# Altium PCB Power Distribution Board.PcbDoc (part 2 of 3)
Units mil, origin at the board's own origin, x right, y up, seen from the top; angles counter-clockwise.
Board outline 7086.61 x 4330.71 mil, 4 copper layers (Top Layer, L2 - GND, L3 - POWER, Bottom Layer), stack 23.756 mil thick; 250 components, 142 nets, 721 pads, 450 vias.
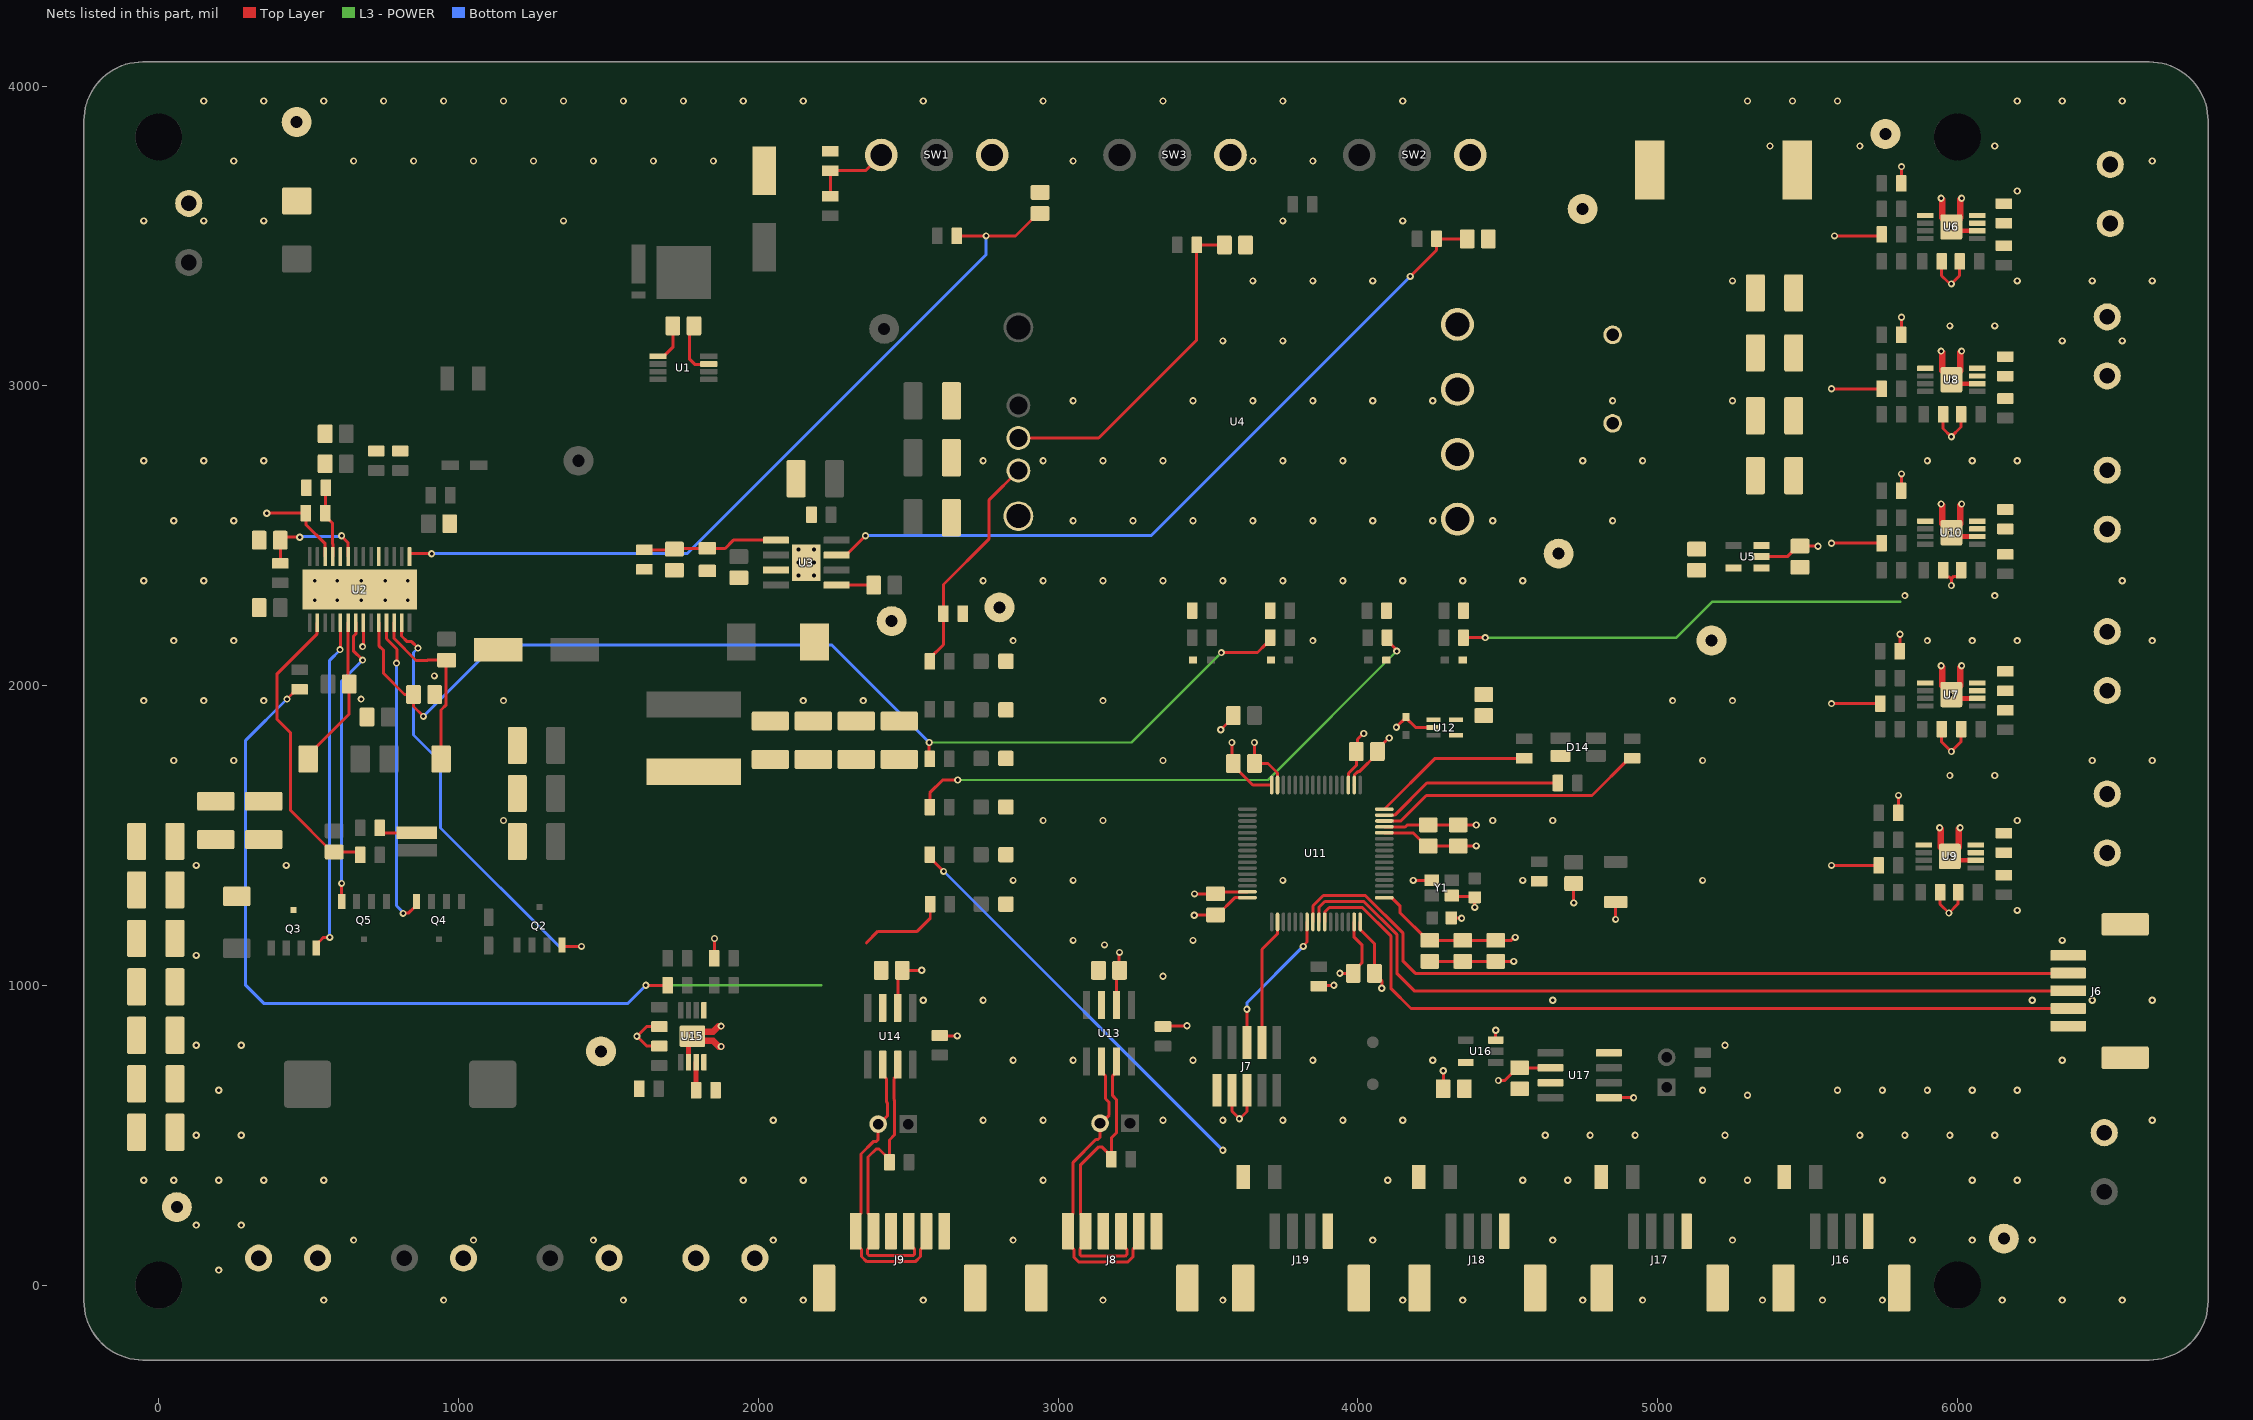
[diagram p4: the nets of this part, all layers, seen from the top]

## Part data (continued)
D1: "TVS DIODE 26V 42.1V DO214AA", Clamping Voltage=42.1V, LCSC Part #=C8835, Manufacturer 1=Littelfuse, Manufacturer Part Number 1=SMBJ26CA, Min Breakdown Voltage=28.9V, Package/Footprint=SMB, Reverse Standoff Voltage=26V, Supplier Part Number 1=SMBJ26CALFCT-ND, Direction=Bidirectional, Mounting Type=SMD, Supplier 1=Digi-Key
D2 D5 D10 D11 D13: "LED GREEN DIFFUSED 0805 SMD", Forward Voltage Drop=2.2V, Manufacturer 1=OSRAM, Manufacturer Part Number 1="LG R971-KN-1", Package/Footprint=0805, Supplier Part Number 1=475-1410-1-ND, Mounting Type=SMD, Supplier 1=Digi-Key
D3 D6: "DIODE SCHOTTKY 40V 520MA SOD323", Manufacturer 1="Diodes Incorporated", Manufacturer Part Number 1=ZLLS400TA, Package/Footprint=SOD-323, Supplier Part Number 1=ZLLS400TACT-ND, Io=520mA, Mounting Type=SMD, Supplier 1=Digi-Key, Vr (Max)=40V
D4 D7 D8: "DIODE SCHOTTKY 30V 2A PMDTM", Manufacturer 1="Rohm Semiconductor", Manufacturer Part Number 1=RSX205LAM30TR, Package/Footprint=SOD-128, Supplier Part Number 1=RSX205LAM30CT-ND, Io=2A, Mounting Type=SMD, Supplier 1=Digi-Key, Vf (Max)=490mV, Vr (Max)=30V
D9: "DIODE SCHOTTKY 40V 5A SMC", Average Rectified Current=5A, Capacitance=300pF, Forward Voltage=550mV, LCSC Part #=C72264, Manufacturer 1=Diodes, Max Forward Surge Current (Ifsm)=100A, Max Operating Temperature=125°C, Max Repetitive Reverse Voltage (Vrrm)=40V, Package/Footprint=SMC, Peak Reverse Current=500uA, Supplier Part Number 1=B540C-FDIDKR-ND, Current=5A, Current Rating=5A, Element Configuration=Single, Forward Current=5A, Manufacturer Part Number 1=B540C-13-F, Max Reverse Voltage (DC)=40V, Mounting Type=SMD, Peak Non-Repetitive Surge Current=100A, Supplier 1=Digi-Key, Voltage=40V, Voltage Rating (DC)=40V
D12: "LED RED DIFFUSED 0805 SMD", Forward Voltage Drop=2V, Manufacturer 1=OSRAM, Manufacturer Part Number 1="LS R976-NR-1", Package/Footprint=0805, Supplier Part Number 1=475-1278-1-ND, Mounting Type=SMD, Supplier 1=Digi-Key
D14: "LED RGB DIFFUSED 4PLCC SMD", Case/Package=PLCC, Color=Blue,Green,Red, Forward Voltage=3.1V, Lens Color=White, Manufacturer 1=Broadcom, Manufacturer Part Number 1=ASMB-MTB1-0A3A2, Package/Footprint=4-PLCC, Supplier Part Number 1=516-3280-1-ND, Test Current=20mA, Dominant Wavelength=470nm, Height=1.9mm, Length=3.2mm, Lens Style=Round, Lens Transparency=Diffused, Luminous Intensity=350mcd, Mounting Type=SMD, Number of Pins=4, Supplier 1=Digi-Key, Viewing Angle=115°, Width=2.8mm
D15 D16 D17 D18 D19: "TVS DIODE 3.3V 14.1V SOD523", Clamping Voltage=14.1V, LCSC Part #=C61148, Manufacturer 1="ON Semiconductor", Manufacturer Part Number 1=ESD5Z3.3T1G, Package/Footprint=SOD-523, Reverse Breakdown Voltage=5V, Reverse Standoff Voltage=3.3V, Supplier Part Number 1=ESD5Z3.3T1GOSCT-ND, Mounting Type=SMD, Polarity=Unidirectional, Supplier 1=Digi-Key
F1: "FUSE SMD 8A 24V", Current Rating=8A, LCSC Part #=C311032, Manufacturer 1=Littelfuse, Manufacturer Part Number 1=1206SFF800F/24-2, Package/Footprint=1206, Supplier Part Number 1=1206SFF800F/24-2CT-ND, Mounting Type=SMD, Supplier 1=Digi-Key
F2 F3 F4 F5: "FUSE BOARD MNT 250MA 125VAC/VDC", Current=250mA, DC Cold Resistance=31mR, Manufacturer 1=Littelfuse, Manufacturer Part Number 1=0466.250NR, Package/Footprint=1206, Power Dissipation=157.5mW, Supplier Part Number 1=F1452CT-ND, Working Voltage=250V, Approvals=UL,CSA, Current Rating=250mA, Depth=1.52mm, Height=0.023inch, Length=3.18mm, Mounting Type=SMD, Supplier 1=Digi-Key, Width=0.06inch
H1 H2 H3: "HEADER 2X1", Manufacturer 1="TE Connectivity", Manufacturer Part Number 1=87220-2, Package/Footprint=TH, Supplier Part Number 1=A26542-ND, Mount="Through Hole", Mounting Type=TH, Supplier 1=Digi-Key
J1 J2 J3 J4 J5 J10 J11 J12 J13 J14 J15: "TERM BLK 2POS SIDE ENTRY 5MM", Current=18A, Manufacturer 1="Phoenix Contact", Manufacturer Part Number 1=1935161, Max Current Rating=16A, Package/Footprint=SMD, Supplier Part Number 1=277-1667-ND, Voltage=300V, Mounting Type=TH, Supplier 1=Digi-Key
J6: "CONN HEADER SMD RIGHT ANGLE 1.5MM PITCH", Current Rating=2A, Manufacturer 1=Molex, Manufacturer Part Number 1=5025850570, Package/Footprint=SMD, Supplier Part Number 1=WM14469CT-ND, Connector Type="Receptacle,Center Strip Contact", Family=CLIK-Mate, Mounting Type=SMD, Number of Circuits=5, Number of Contacts=5, Number of Positions=5, Number of Rows=1, Orientation="Right Angle", Supplier 1=Digi-Key, Termination=Solder
J7: "CONN HEADER SMD 10POS 1.27MM", Manufacturer 1=Samtec, Manufacturer Part Number 1=FTSH-105-01-F-DV-K, Max Current Rating=1.75A, Package/Footprint=SMD, Supplier Part Number 1=SAM8796-ND, Mounting Type=SMD, Pitch=1.27mm, Supplier 1=Digi-Key
J8 J9: "CONN HEADER SMD RIGHT ANGLE 1.5 MM PITCH", Manufactor Number=502585-0670, Manufacturer=Molex, Package/Footprint=SMD, Supplier Part Number 1=WM12832CT-ND, Family=CLIK-Mate, Mounting Type=SMD, Supplier 1=Digi-Key
J16 J17 J18 J19: "CONN HEADER SMD RIGHT ANGLE 1.5 MM PITCH", Manufactor Number=5025850470, Manufacturer=Molex, Package/Footprint=SMD, Supplier Part Number 1=WM9449CT-ND, Family=CLIK-Mate, Mounting Type=SMD, Supplier 1=Digi-Key
L1: "FIXED IND 2.2UH 9A 6.8 MOHM SMD", Current Rating=9A, DC Resistance (DCR)=6.8mOhm, Inductance=2.2uH, Manufacturer 1=Bourns, Manufacturer Part Number 1=SDR1806-2R2ML, Max Operating Temperature=125°C, Min Operating Temperature=-40°C, Package/Footprint=SMD, Supplier Part Number 1=SDR1806-2R2MLCT-ND, Tolerance=20%, Category="Fixed Inductors", Composition=Wirewound, Core Material=Ferrite, Height - Seated (Max)="0.272\"\" (6.90mm)", Mounting Type=SMD, Number of Pins=2, Size / Dimension="0.720\"\" L x 0.551\"\" W (18.30mm x 14.00mm)", Supplier 1=Digi-Key, Termination=SMD/SMT
L2: "FIXED IND 2.2UH 6.3A 13 MOHM SMD", Current Rating=6.3A, DC Resistance (DCR)=13mR, Inductance=2.2uH, Inductance Tolerance=30%, Manufacturer 1=Bourns, Max Operating Temperature=125°C, Min Operating Temperature=-40°C, Package/Footprint=SMD, Saturation Current=7.4A, Self Resonant Frequency=40MHz, Supplier Part Number 1=SRN8040-2R2YCT-ND, Test Frequency=100kHz, ComponentLink7Description=https://datasheet.ciiva.com/1049/srn8040-1049455.pdf?src-supplier=Digi-Key, ComponentLink7URL=https://datasheet.ciiva.com/1049/srn8040-1049455.pdf?src-supplier=Digi-Key, ComponentLink8Description=https://datasheet.ciiva.com/17284/srn8040-17284783.pdf?src-supplier=Avnet+Europe, ComponentLink8URL=https://datasheet.ciiva.com/17284/srn8040-17284783.pdf?src-supplier=Avnet+Europe, ComponentLink9Description=https://datasheet.ciiva.com/48691/001056460-da-01-en-mag-abg-leist-ind-srn8040-2r2y-2-2uh-smd-48691836.pdf?src-supplier=Conrad, ComponentLink9URL=https://datasheet.ciiva.com/48691/001056460-da-01-en-mag-abg-leist-ind-srn8040-2r2y-2-2uh-smd-48691836.pdf?src-supplier=Conrad, Composition=Wirewound, Contact Plating=Tin, Core Material=Ferrite, DC Current=6.3A, Depth=8.3mm, Height=4mm, Height - Seated (Max)=0.157inch, Length=8mm, Manufacturer Part Number 1=SRN8040-2R2Y, Material=Steel, Max DC Current=6.3A, Military Standard=Not, Mounting Type=SMD, Number of Pins=2, REACH SVHC="No SVHC", RMS Current (Irms)=6.3A, Shielding=Shielded, Supplier 1=Digi-Key, Termination=SMD/SMT, Tolerance=30%, Weight=0.028607oz, Width=8mm
L3: "IND 330NH 47.5A 0.165 MOHM", Current Rating=47.5A, DC Resistance (DCR)=0.165mR, Inductance=330nH, Inductance Tolerance=20%, Manufacturer 1="Wurth Electronics", Max DC Current=50A, Max Operating Temperature=125°C, Min Operating Temperature=-40°C, Package/Footprint=SMD, Saturation Current=62.5A, Self Resonant Frequency=158MHz, Supplier Part Number 1=732-3006-1-ND, Test Frequency=100kHz, Composition=Wirewound, Core Material=Zinc, Height=9mm, Height - Seated (Max)=0.374inch, Length=0.551inch, Manufacturer Part Number 1=744309033, Mounting Type=SMD, REACH SVHC=Unknown, RMS Current (Irms)=50A, Shielding=Shielded, Supplier 1=Digi-Key, Termination=SMD/SMT, Tolerance=20%, Width=0.512inch
Q1: "N-Channel 40V 100A 188W Surface Mount PG-TDSON-8-6", Continuous Drain Current (Id) @ 25°C=100A, Drain to Source Voltage (Vdss)=40V, Drive Voltage (Max Rds On, Min Rds On)="4.5V, 10V", Manufacturer 1="Infineon Technologies", Manufacturer Part Number 1=BSC007N04LS6ATMA1, Operating Temperature="-55°C ~ 175°C (TJ)", Package/Footprint=8-PowerTDFN, Power Dissipation=188W, Supplier Part Number 1=BSC007N04LS6ATMA1CT-ND, FET Type=N-Channel, Mounting Type=SMD, Rds On (Max) @ Id, Vgs="0.7mOhm @ 50A, 10V", Supplier 1=Digi-Key, Vgs (Max)=±20V
Q2 Q3 Q4 Q5: "MOSFET BVDSS: 41V 60V,SO-8,T&R,2", Continuous Drain Current (Id) @ 25°C="10.8A (Ta)", Drain to Source Voltage (Vdss)=60V, Drive Voltage (Max Rds On, Min Rds On)="4.5V, 10V", LCSC Part #=C508211, Manufacturer 1="Texas Instruments", Manufacturer Part Number 1=DMT6009LSS-13, Operating Temperature="-55°C - 150°C (TJ)", Package/Footprint=8-SOIC, Power Dissipation (Max)="1.25W (Ta)", Supplier Part Number 1=DMT6009LSS-13DICT-ND, Mounting Type=SMD, Rds On (Max) @ Id, Vgs="59mOhm @ 5A, 10V", Supplier 1=Digi-Key, Vgs (Max)=±20V, Vgs(th) (Max) @ Id="9.5mOhm @ 13.5A, 10V"
R1 R3: "RES 4.7K OHM 5% 1/8W 0805", LCSC Part #=C17673, Manufacturer 1=Yageo, Manufacturer Part Number 1=RC0805JR-074K7L, Package/Footprint=0805, Supplier Part Number 1=311-4.7KARCT-ND, Mounting Type=SMD, Supplier 1=Digi-Key
R2: "RES 576K OHM 1% 1/8W 0805", LCSC Part #=C17760, Manufacturer 1="Panasonic Electronic Components", Manufacturer Part Number 1=ERJ-6ENF5763V, Package/Footprint=0805, Supplier Part Number 1=P576KCCT-ND, Tolerance=1%, Mounting Type=SMD, Supplier 1=Digi-Key
R4: "RES 249K OHM 1% 1/8W 0805", LCSC Part #=C25825, Manufacturer 1=Yageo, Manufacturer Part Number 1=RC0805FR-07249KL, Package/Footprint=0805, Supplier Part Number 1=311-249KCRCT-ND, Tolerance=1%, Mounting Type=SMD, Supplier 1=Digi-Key
R5: "RES 10 OHM 1% 1/8W 0805", LCSC Part #=C17415, Manufacturer 1=Yageo, Manufacturer Part Number 1=RC0805FR-0710RL, Package/Footprint=0805, Supplier Part Number 1=311-10.0CRCT-ND, Tolerance=1%, Mounting Type=SMD, Supplier 1=Digi-Key
R6 R11: "RES 20K OHM 1% 1/8W 0805", LCSC Part #=C4328, Manufacturer 1=Yageo, Manufacturer Part Number 1=RC0805FR-0720KL, Package/Footprint=0805, Supplier Part Number 1=311-20.0KCRCT-ND, Tolerance=1%, Mounting Type=SMD, Supplier 1=Digi-Key
R7: "RES 18.7K OHM 1% 1/8W 0805", LCSC Part #=C17499, Manufacturer 1=Yageo, Manufacturer Part Number 1=RC0805FR-0718K7L, Package/Footprint=0805, Supplier Part Number 1=311-18.7KCRCT-ND, Tolerance=1%, Mounting Type=SMD, Supplier 1=Digi-Key
R8: "RES 0.016 OHM 1W 1206 WIDE", Manufacturer 1=Susumu, Manufacturer Part Number 1=PRL1632-R016-F-T1, Package/Footprint=1206, Supplier Part Number 1=PRL1632.016FCT-ND, Tolerance=1%, Mounting Type=SMD, Supplier 1=Digi-Key
R9 R20 R21 R22 R23 R25 R33 R34 R35 R36 R49 R50 R51 R52 R62 R63 R79 R80: "RES 1K OHM 1% 1/8W 0805", LCSC Part #=C17513, Manufacturer 1=Yageo, Manufacturer Part Number 1=RC0805FR-071KL, Package/Footprint=0805, Resistance=1kΩ, Supplier Part Number 1=311-1.00KCRCT-ND, Tolerance=1%, Mounting Type=SMD, Supplier 1=Digi-Key
R10 R14: "RES 100 OHM 1% 1/8W 0805", LCSC Part #=C1790, Manufacturer 1="Vishay Dale", Manufacturer Part Number 1=CRCW0805100RFKEA, Package/Footprint=0805, Supplier Part Number 1=541-100CCT-ND, Mounting Type=SMD, Supplier 1=Digi-Key
R12: "RES 26.7K OHM 1% 1/8W 0805", LCSC Part #=C17581, Manufacturer 1="Panasonic Electronic Components", Manufacturer Part Number 1=ERJ-6ENF2672V, Package/Footprint=0805, Supplier Part Number 1=P26.7KCCT-ND, Tolerance=1%, Mounting Type=SMD, Supplier 1=Digi-Key
R13: "RES 93.1K OHM 1% 1/8W 0805", LCSC Part #=C17869, Manufacturer 1="Panasonic Electronic Components", Manufacturer Part Number 1=ERJ-6ENF9312V, Package/Footprint=0805, Supplier Part Number 1=P93.1KCCT-ND, Tolerance=1%, Mounting Type=SMD, Supplier 1=Digi-Key
R15: "RES 73.2K OHM 1% 1/8W 0805", LCSC Part #=C17814, Manufacturer 1="Panasonic Electronic Components", Manufacturer Part Number 1=ERJ-6ENF7322V, Package/Footprint=0805, Supplier Part Number 1=P73.2KCCT-ND, Tolerance=1%, Mounting Type=SMD, Supplier 1=Digi-Key
R16 R88: "RES 3.3K OHM 1% 1/8W 0805", LCSC Part #=C26010, Manufacturer 1="Vishay Dale", Manufacturer Part Number 1=CRCW06033K30FKEA, Package/Footprint=0805, Resistance=3.3kΩ, Supplier Part Number 1=541-3.30KHCT-ND, Tolerance=1%, Mounting Type=SMD, Supplier 1=Digi-Key
R17: "RES 221K OHM 1% 1/8W 0805", LCSC Part #=C75431, Manufacturer 1=Vishay, Manufacturer Part Number 1=CRCW0805221KFKEA, Package/Footprint=0805, Resistance=221kΩ, Supplier Part Number 1=541-221KCCT-ND, Tolerance=1%, Mounting Type=SMD, Supplier 1=Digi-Key
R18: "RES 13.7K OHM 1% 1/8W 0805", LCSC Part #=C17448, Manufacturer 1=Vishay, Manufacturer Part Number 1=CRCW080513K7FKEA, Package/Footprint=0805, Resistance=13.7kΩ, Supplier Part Number 1=541-13.7KCCT-ND, Tolerance=1%, Mounting Type=SMD, Supplier 1=Digi-Key
R19: "RES 10.2K OHM 1% 1/8W 0805", LCSC Part #=C17402, Manufacturer 1=Vishay, Manufacturer Part Number 1=CRCW080510K2FKEA, Package/Footprint=0805, Resistance=10.2kΩ, Supplier Part Number 1=541-10.2KCCT-ND, Tolerance=1%, Mounting Type=SMD, Supplier 1=Digi-Key
R24: "RES 49.9K OHM 1% 1/8W 0805", LCSC Part #=C17719, Manufacturer 1="Vishay Dale", Manufacturer Part Number 1=TNPW080549K9BEEN, Package/Footprint=0805, Resistance=49.9kΩ, Supplier Part Number 1=541-3802-1-ND, Tolerance=1%, Mounting Type=SMD, Supplier 1=Digi-Key
R26: "RES SMD 220 OHM 5% 1/2W 0805", LCSC Part #=C17557, Manufacturer 1="Panasonic Electronic Components", Manufacturer Part Number 1=ERJ-P06J221V, Package/Footprint=0805, Supplier Part Number 1=P220ADCT-ND, Tolerance=5%, Mounting Type=SMD, Supplier 1=Digi-Key
R27 R28 R29 R30 R31 R32 R41 R42 R43 R44 R45 R46 R47 R48 R57 R58 R59 R60 R61 R66 R70 R71 R76 R77 R78 R83: "RES 10K OHM 5% 1/8W 0805", LCSC Part #=C17414, Manufacturer 1="Panasonic Electronic Components", Manufacturer Part Number 1=ERJ-6GEYJ103V, Package/Footprint=0805, Supplier Part Number 1=P10KACT-ND, Mounting Type=SMD, Supplier 1=Digi-Key
R37 R39 R53 R55 R64 R73 R75 R81: "RES 0 OHM JUMPER 1/8W 0805", LCSC Part #=C17477, Manufacturer 1="Panasonic Electronic Components", Manufacturer Part Number 1=ERJ-6GEY0R00V, Package/Footprint=0805, Supplier Part Number 1=P0.0ACT-ND, Mounting Type=SMD, Supplier 1=Digi-Key
R38 R40 R54 R56 R65 R82: "RES 402 OHM 1% 1/8W 0805", LCSC Part #=C17681, Manufacturer 1="Stackpole Electronics Inc", Manufacturer Part Number 1=RMCF0805FT402R, Package/Footprint=0805, Supplier Part Number 1=RMCF0805FT402RCT-ND, Tolerance=1%, Mounting Type=SMD, Supplier 1=Digi-Key
R67 R69: "RES 20 OHM 1% 1/8W 0805", LCSC Part #=C17581, Manufacturer 1=Yageo, Manufacturer Part Number 1=RC0805FR-0720RL, Package/Footprint=0805, Supplier Part Number 1=311-20.0CRCT-ND, Tolerance=1%, Mounting Type=SMD, Supplier 1=Digi-Key
R68 R72 R74 R92: "RES 120 OHM 1% 1/8W 0805", LCSC Part #=C17437, Manufacturer 1=Vishay, Manufacturer Part Number 1=CRCW0805120RFKEA, Package/Footprint=0805, Resistance=120Ω, Supplier Part Number 1=541-120CCT-ND, Mounting Type=SMD, Supplier 1=Digi-Key
R84: library part RES_5.6kΩ_0805_5%, "RES SMD 5.6K OHM 5% 1/8W 0805", Manufacturer 1=Yageo, Manufacturer Part Number 1=RC0805JR-075K6L, Package=0805, Supplier Part Number 1=311-5.6KARCT-ND, Tolerance=5%, Supplier 1=Digi-Key
R85: library part RES_2.2kΩ_0805_5%, "RES 2.2K OHM 5% 1/8W 0805", Manufacturer 1="Vishay Dale", Manufacturer Part Number 1=CRCW08052K20JNEAC, Package=0805, Supplier Part Number 1=541-4169-1-ND, Tolerance=5%, Supplier 1=Digi-Key
R86 R87: library part RES_9.1kΩ_0805_5%, "RES SMD 9.1K OHM 5% 1/8W 0805", Manufacturer 1=Yageo, Manufacturer Part Number 1=RC0805JR-079K1L, Package=0805, Supplier Part Number 1=311-9.1KARCT-ND, Tolerance=5%, Supplier 1=Digi-Key
R89: library part RES_1.2kΩ_0805_5%, "RES SMD 1.2K OHM 5% 1/8W 0805", Manufacturer 1=Yageo, Manufacturer Part Number 1=RC0805JR-071K2L, Package=0805, Supplier Part Number 1=311-1.2KARCT-ND, Tolerance=5%, Supplier 1=Digi-Key
R90 R91: library part RES_1.3kΩ_0805_5%, "RES SMD 1.3K OHM 5% 1/8W 0805", Manufacturer 1=Yageo, Manufacturer Part Number 1=RC0805JR-071K3L, Package=0805, Supplier Part Number 1=311-1.3KARCT-ND, Tolerance=5%, Supplier 1=Digi-Key
S1: "SWITCH TACTILE SPST-NO 0.05A 12V", Manufacturer 1="Omron Electronics Inc-EMC Div", Manufacturer Part Number 1=B3U-1000P, Package/Footprint=SMD, Supplier Part Number 1=SW1020CT-ND, Mounting Type=SMD, Supplier 1=Digi-Key
SW1 SW2 SW3: "SWITCH TOGGLE SPDT 5A 120V", Current Rating=5A, Manufacturer 1=E-Switch, Manufacturer Part Number 1=100SP1T1B4M2QE, Package/Footprint=TH, Supplier Part Number 1=EG2355-ND, Voltage Rating (DC)=28V, Mounting Type=TH, Supplier 1=Digi-Key, Throw Configuration=SPDT
TP1 TP2 TP3 TP4 TP5 TP6 TP7 TP8 TP9 TP10 TP11 TP12: "PC TEST POINT MINIATURE WHITE", Manufacturer 1="Keystone Electronics", Manufacturer Part Number 1=5002, Package/Footprint=TH, Supplier Part Number 1=36-5002-ND, Mounting Type=TH, Supplier 1=Digi-Key
TP13 TP14: "TESTPOINT 1MM CIRCLE"
U1: "IC SMART DIODE CTLR 8VSSOP", LCSC Part #=C202259, Manufacturer 1="Texas Instruments", Package/Footprint=8-TSSOP, Supplier Part Number 1=296-43067-1-ND, Supply Voltage (Max)=42V, Manufacturer Part Number 1=LM74610QDGKRQ1, Mounting Type=SMD, Supplier 1=Digi-Key
U2: "IC REG CTRLR BUCK-BOOST 28HTSSOP", LCSC Part #=C113356, Manufacturer 1="Texas Instruments", Manufacturer Part Number 1=LM5175QPWPRQ1, Operating Temperature="-40°C - 150°C (TJ)", Package/Footprint=28-PowerTSSOP, Supplier Part Number 1=296-44175-1-ND, Supply Voltage="3.5V - 42V", Switching Frequency="100kHz - 600kHz", Clock Sync=Yes, Control Features="Enable, Frequency Control, Power Good, Soft Start", Mounting Type=SMD, Number Of Outputs=1, Supplier 1=Digi-Key, Synchronous Rectifier=Yes
U3: "IC REG BUCK ADJUSTABLE 5A 8SOPWR", LCSC Part #=C155484, Manufacturer 1="Texas Instruments", Package/Footprint=8-PowerSOIC, Quiescent Current=40uA, Supplier Part Number 1=296-44322-1-ND, Manufacturer Part Number 1=LMR14050SDDAR, Mounting Type=SMD, Output Configuration=Positive, Output Type=Adjustable, Supplier 1=Digi-Key
U4: "DC DC CONVERTER 5V 80W", Manufacturer 1="Vicor Corporation", Manufacturer Part Number 1=DCM3623T50T0680T00, Package/Footprint=TH, Supplier Part Number 1=1102-5585-ND, Mounting Type=TH, Supplier 1=Digi-Key
U5: "IC REG LINEAR 3.3V 600MA SOT25", Input Voltage (Max)=6V, LCSC Part #=C51118, Manufacturer 1="Diodes Incorporated", Manufacturer Part Number 1=AP2112K-3.3TRG1, Operating Temperature="-40°C - 85°C", Output Current=600mA, Output Voltage (Fixed)=3.3V, Package/Footprint=SOT-25, Supplier Part Number 1=AP2112K-3.3TRG1DICT-ND, Voltage Dropout (Max)=0.4V, Mounting Type=SMD, Supplier 1=Digi-Key
U6 U7 U8 U9 U10 U15: "IC PWR DRIVER N-CHAN 1:1 8MSOP", Manufacturer 1="Texas Instruments", Manufacturer Part Number 1=TPS1H200AQDGNRQ1, Operating Temperature="40°C - 125°C", Output Current (Max)=2.5A, Package/Footprint=8-TSSOP, Supplier Part Number 1=296-50416-1-ND, Supply Voltage="4V - 40V", Mounting Type=SMD, Output Type=N-Channel, Rds On (Typ)=200mOhm, Supplier 1=Digi-Key
U11: library part MCU_STM32F446RET6, "ARM Cortex-M4 32-bit MCU+FPU, 512 KB Flash, 128 KB Internal RAM, 50 I/Os, 64-Pin LQFP, -40 to 85 degC, Tray", I/Os (High Current)=50, Operating Frequency(F) (Processor speed) (MHz)=180, Package Description=LQFP64, Package Reference="64-Pin Low-profile Quad Flat Package, Body 10 x 10 mm, Pitch 0.5 mm", Supplier Part Number 1=497-15376-ND, Supply Voltage(Vcc) min (V)=1.7, ComponentLink1Description="Manufacturer URL", ComponentLink1URL=http://www.st.com/, ComponentLink2Description=Datasheet, ComponentLink2URL=http://www.st.com/st-web-ui/static/active/en/resource/technical/document/datasheet/DM00141306.pdf, Core="ARM Cortex-M4", D/A Converter=2, DatasheetVersion="Rev. 6", FLASH Size (Prog) (kB)=512, Internal RAM Size (kB)=128, Mounting Technology="Surface Mount", Packing=Tray, Supplier 1=Digi-Key
U12: "SENSOR ANALOG -50C-150C SC70", LCSC Part #=C206058, Manufacturer 1="Texas Instruments", Manufacturer Part Number 1=LMT87QDCKRQ1, Package/Footprint=SC-70, Supplier Part Number 1=296-40298-1-ND, Mounting Type=SMD, Supplier 1=Digi-Key
U13 U14: "IC TXRX CAN 4MBPS 8SO", LCSC Part #=C117076, Manufacturer 1="Linear Technologies", Manufacturer Part Number 1=LTC2875IS8#PBF, Package/Footprint=8-SOIC, Supplier Part Number 1=LTC2875IS8#PBF-ND, Mounting Type=SMD, Supplier 1=Digi-Key
U16: "IC BUF NON-INVERT 5.5V SOT23-5", LCSC Part #=C100024, Manufacturer 1="Texas Instruments", Manufacturer Part Number 1=SN74LV1T34DBVR, Package/Footprint=SOT-23-5, Supplier Part Number 1=296-37176-1-ND, Mounting Type=SMD, Supplier 1=Digi-Key
U17: "IC TRANSCEIVER HALF 1/1 8SOIC RS422, RS485", LCSC Part #=C9945, Manufacturer 1="Maxim Integrated", Manufacturer Part Number 1=MAX485CSA+T, Package/Footprint=8-SOIC, Supplier Part Number 1=MAX485CSA+TCT-ND, Supply Voltage="4.75V - 5.25V", Data Rate=2.5Mbps, Mounting Type=SMD, Protocol="RS422, RS485", Supplier 1=Digi-Key
Y1: "CRYSTAL 25.0000MHZ 12PF SMD", Frequency=25MHz, Load Capacitance=12pF, Manufacturer 1="Kyocera AVX", Manufacturer Part Number 1=CX2520DB25000H0FLJC1, Package/Footprint=SMD, Supplier Part Number 1=1253-1724-1-ND, Mounting Type=SMD, Supplier 1=Digi-Key

## Via types
v1: diameter 24, hole 12, Top Layer to Bottom Layer, tented both sides, 444 vias
v2: diameter 24.8, hole 12.99, Top Layer to Bottom Layer, 6 vias

## Nets (pads, with @x,y where several pads share a name; then routed paths per layer and width w, separated by ;. In a path a pad name is that pad's centre, name@x,y a point inside that pad or via, vN(x,y) a via of type N, cw(c..) or ccw(c..) an arc to the next point about the centre after c; other vN are vias at no path point)
3V3: C46.2 C47.2 C48.2 C49.2 C50.2 C51.2 C52.2 C53.2 C54.2 C55.2 C60.2 C61.1 C62.1 C63.1 D14.4 J7.1 R11.2 R26.2 R29.2 R32.2 R45.2 R48.2 R61.2 R71.2 R78.2 TP11.1 U5.5 U11.1 U11.13 U11.19 U11.32 U11.48 U11.64 U12.1 U12.4 U12.5 U13.3 U14.3 U16.5 | length 5922.2
  Top Layer w10: v1(427.64,1955) 460.16,1987.52 R11.2@470,1987.52 ; v1(1625,1000) R78.2@1697.52,1000 ; 2360.56,1141.99 2398.57,1180 2530,1180 2573.56,1223.56 R26.2@2573.56,1271 ; v1(3454,1234) 3524.24,1234 C49.2@3525,1234.76 3531.89,1234.76 3589.49,1292.36 U11.48@3631.65,1292.36 ; v1(3580,1810) 3580,1744.76 C48.2@3584.76,1740 3584.76,1733.11 3649.53,1668.35 U11.32@3712.36,1668.35 ; U11.19@3968.27,1668.35 3968.61,1668.69 3968.61,1707.35 3994.76,1733.5 C47.2@3994.76,1780 3998.61,1783.85 3998.61,1820.64 4017.98,1840 v1(4020,1840) ; U11.64@4007.64,1211.65 4007.64,1186.55 4009.03,1185.16 4055.24,1138.95 C50.2@4055.24,1040 4080,1015.24 v1(4080,990) ; U11.1@4088.35,1292.36 4113.45,1292.36 4140,1265.81 4140,1243.35 4233.11,1150.24 C53.2@4240,1150.24 C52.2@4350,1150.24 C51.2@4460,1150.24 4512.14,1150.24 4521.91,1160 v1(4525,1160) ; U11.13@4088.35,1528.58 4158.14,1528.58 4164.79,1535.24 C55.2@4235,1535.24 C54.2@4335,1535.24 4335.24,1535 v1(4395,1535) ; v1(5580,1400) R48.2@5737.52,1400 ; v1(5580,1940) R32.2@5742.52,1940 ; v1(5580,2475) R61.2@5747.52,2475 ; v1(5580,2990) R45.2@5747.52,2990 ; v1(5590,3500) 5742.52,3500 R29.2@5747.52,3505
  L3 - POWER w8: v1(1625,1000) 2210,1000
  Bottom Layer w10: v1(427.64,1955) 290,1817.36 290,1000 350,940 1565,940 v1(1625,1000)
  other v1: 2750,550 2950,550 3350,550 3550,550 3750,550 3950,550 4150,550 2850,750 3050,750 3450,750 3850,750 4250,750 2550,950 2750,950 3350,1030 3155,1135 3050,1150 3450,1150 3750,1350 4550,1350 5150,1350 4450,1550 4650,1550 3350,1750 5150,1750 5050,1950 5250,1950
5V: C40.2 C41.2 C42.2 C43.2 C45.2 C64.1 F2.2 F3.2 F4.2 F5.2 L3.2 R22.2 R27.2 R28.2 R30.2 R31.2 R43.2 R44.2 R46.2 R47.2 R59.2 R60.2 R85.2 TP8.1 U5.1 U5.3 U6.1 U6.8 U7.1 U7.8 U8.1 U8.8 U9.1 U9.8 U10.1 U10.8 U17.3 U17.8 | length 2902.8
  Top Layer w10: R22.2@2574.55,1433.52 R22.2@2572.07,1436 2572.07,1426.16 v1(2618.23,1380) ; R85.2@4352.48,2160 v1(4425,2160)
  L3 - POWER w8: v1(4425,2160) 5062.91,2160 5182.91,2280 5810,2280
  Bottom Layer w10: v1(2618.23,1380) 2619.11,1380 3549.11,450 v1(3550,450)
  other v1: 4100,350 4550,350 4700,350 5150,350 5300,350 5750,350 6050,350 6200,350 4625,500 4775,500 4925,500 5225,500 5675,500 5825,500 5975,500 6125,500 5300,633 5150,650 5600,650 5750,650 5900,650 6050,650 6200,650 5225,800 6200,1250 6200,1550 5975,1700 6125,1700 5900,2150 6050,2150 6200,2150 5825,2300 6125,2300 5900,2750 6050,2750 6200,2750 5975,3200 6125,3200 6200,3350 6200,3650 5375,3800 5675,3800 6125,3800 5300,3950 5450,3950 5600,3950 6200,3950
5V_LOAD1: J10.1 R27.1 U6.7
5V_LOAD2: J11.1 R43.1 U8.7
5V_LOAD3: J12.1 R59.1 U10.7
5V_LOAD4: J14.1 R30.1 U7.7
5V_LOAD5: J15.1 R46.1 U9.7
17V: C28.2 C30.2 C31.2 C32.2 C33.2 L2.2 R16.2 R17.2 R76.2 R77.2 R84.2 TP4.1 U15.1 U15.8 | length 1859.7
  Top Layer w10: R16.2@2572.07,1594.72 2572.07,1642.07 2615,1685 v1(2665,1685) ; R84.2@4097.48,2160 4097.48,2150.16 4110.2,2137.44 4110.29,2137.44 4130,2117.73 v1(4130,2115)
  L3 - POWER w8: v1(2665,1685) 3700,1685 v1(4130,2115)
17V_FB: C28.1 R17.1 R19.2 U3.5 | length 452.5
  Top Layer w10: R17.1@1620,2452.48 1717.24,2452.48 C28.1@1720,2455.24 1722.36,2457.6 R19.2@1830,2457.6 1889.34,2457.6 1916.75,2485 U3.5@2059,2485
17V_LOAD: J13.1 R76.1 U15.7 | length 93.4
  Top Layer w16: R76.1@1792.52,650 U15.7@1792.52,743.39
24V: C3.1 C4.1 C5.2 C11.1 C12.1 C13.2 C14.1 C15.1 C16.2 C21.2 D4.2 J5.1 Q3.1 R2.2 R3.2 R86.2 TP2.1 U2.12 U2.24 | length 3957.8
  Top Layer w10: v1(360,2575) R2.2@490.52,2575 490.52,2537.46 554.84,2473.13 U2.12@554.84,2430.24 ; U2.24@733.98,2209.76 733.98,2133.05 750,2117.02 750,2040 820,1970 C21.2@849.76,1970 850,1969.76 850,1930 v1(882.7,1897.3) ; v1(2570,1810) 2570,1757.22 R3.2@2572.07,1755.15 ; v1(3545,2110) 3665,2110 3692.44,2137.44 3694.8,2137.44 3707.52,2150.16 R86.2@3707.52,2160
  L3 - POWER w8: v1(2570,1810) 3245,1810 v1(3545,2110)
  Bottom Layer w10: v1(882.7,1897.3) 1120.4,2135 2245,2135 v1(2570,1810)
  other v1: 200,50 125,200 275,200 50,350 200,350 350,350 125,500 275,500 200,650 125,800 275,800 125,1100 125,1400 425,1400
+OUT: C36.1 L3.1 TP7.1 U4.A' U4.C'
BOOT: C27.2 U3.1 | length 123.8
  Top Layer w10: U3.1@2261,2335 C27.2@2384.76,2335
BOOT1: C23.2 D7.2 U2.26 | length 595.6
  Top Layer w10: U2.26@785.16,2209.76 785.25,2209.67 785.25,2156.77 858.02,2084 895.88,2084 896.64,2084.76 C23.2@960,2084.76 958.84,2083.61 958.84,1935.59 941.61,1918.36 D7.2@941.61,1755
BOOT2: C24.2 D8.2 U2.20 | length 512.9
  Top Layer w10: D8.2@498.39,1755 525.87,1782.48 525.87,1795.87 635.24,1905.24 C24.2@635.24,2005 631.61,2008.62 U2.20@631.61,2209.76
CANA_N: H1.2 J8.1 J8.5 U13.6 | length 1039.4
  Top Layer w10: U13.6@3145,745.51 3145,711.06 3158,698.06 3158,621.76 3170.47,609.28 3170.47,566.8 3143.67,540 H1.2@3140,540 3140,492.48 3132.97,485.45 3126.03,485.45 3050.36,409.79 3050.36,238.87 3032.83,221.34 J8.1@3032.83,180 3032.83,138.66 3052.36,119.13 3052.36,93.88 3069.94,76.31 3231.95,76.31 3249.53,93.88 3249.53,119.13 3269.06,138.66 J8.5@3269.06,180
CANA_P: J8.2 J8.4 R72.1 U13.7 | length 1045.8
  Top Layer w10: R72.1@3177.52,420 R72.1@3177.52,429.84 ; U13.7@3195,745.51 3195,711.06 3182,698.06 3182,631.7 3194.47,619.22 3194.47,507.69 3177.52,490.73 R72.1@3177.52,429.84 ; J8.4@3210,180 3210,138.66 3229.53,119.13 3229.53,102.16 3223.67,96.31 3078.22,96.31 3072.36,102.16 3072.36,119.13 3091.89,138.66 J8.2@3091.89,180 3091.89,221.34 3074.36,238.87 3074.36,399.85 3135.97,461.45 3145.91,461.45 R72.1@3177.52,429.84
CANB_N: H2.2 J9.1 J9.5 U14.6 | length 1009.8
  Top Layer w10: U14.6@2415,735.51 2415,701.06 2428,688.06 2428,610.18 2430.23,607.95 2430.23,563.89 2403.43,537.09 H2.2@2399.76,537.09 2399.76,485.42 2392.73,478.39 2383.09,478.39 2342.25,437.55 2342.25,238.87 2324.72,221.34 J9.1@2324.72,180 2324.72,138.66 2344.25,119.13 2344.25,95.69 2361.83,78.12 2523.84,78.12 2541.42,95.69 2541.42,119.13 2560.94,138.66 J9.5@2560.94,180
CANB_P: J9.2 J9.4 R74.1 U14.7 | length 1020.5
  Top Layer w10: R74.1@2437.52,410 R74.1@2437.52,419.84 ; U14.7@2465,735.51 2465,701.06 2452,688.06 2452,620.12 2454.23,617.89 2454.23,501.11 2437.52,484.4 R74.1@2437.52,419.84 ; J9.4@2501.89,180 2501.89,138.66 2521.42,119.13 2521.42,103.98 2515.56,98.12 2370.11,98.12 2364.25,103.98 2364.25,119.13 2383.78,138.66 J9.2@2383.78,180 2383.78,221.34 2366.25,238.87 2366.25,427.61 2393.03,454.39 2402.97,454.39 R74.1@2437.52,419.84
COMP: C19.2 R12.2 U2.9 | length 374.4
  Top Layer w10: R12.2@405,2407.48 405.24,2407.72 C19.2@405.24,2485 415.24,2495 v1(470,2495) ; v1(610,2500) 610,2497.03 631.61,2475.42 U2.9@631.61,2430.24
  L3 - POWER w10: v1(470,2495) v1@472.5,2497.5 ; v1@607.5,2497.5 v1(610,2500)
  Bottom Layer w10: v1(470,2495) 472.5,2497.5 607.5,2497.5 v1(610,2500)
EN: R4.1 R7.2 SW1.3 | length 276.7
  Top Layer w10: R4.1@2240,3632.48 R7.2@2240,3717.52 2357.44,3717.52 SW1.3@2409.92,3770
EN_5V: C44.2 R23.2 U4.C | length 1139.9
  Top Layer w10: U4.C@2867.72,2825.67 3135.67,2825.67 3462.48,3152.48 R23.2@3462.48,3470 C44.2@3554.76,3470
EN_17V: C35.2 R21.2 U3.3 | length 2562.7
  Top Layer w10: U3.3@2261,2435 2292.5,2435 v1(2357.5,2500) ; v1(4175,3365) 4262.48,3452.48 R21.2@4262.48,3490 C35.2@4364.76,3490
  Bottom Layer w10: v1(2357.5,2500) 3310,2500 v1(4175,3365)
EN_24V: C17.2 R9.2 U2.1 | length 2717.2
  Top Layer w10: U2.1@836.34,2430.24 836.34,2439.91 836.43,2440 v1(910,2440) ; R9.2@2662.48,3500 v1(2760,3500) 2858.35,3500 2933.11,3574.76 C17.2@2940,3574.76
  Bottom Layer w10: v1(910,2440) 1761.92,2440 2760,3438.08 v1(2760,3500)
FB: R2.1 R6.2 U2.11 | length 230.1
  Top Layer w10: R6.2@555.48,2650 R2.1@555.48,2575 555.48,2565.16 580,2540.64 580,2472.02 580.34,2471.68 580.34,2430.33 U2.11@580.43,2430.24
FT: R24.1 R25.2 U4.D | length 758.9
  Top Layer w10: R25.2@2572.07,2081 2572.07,2090.84 2617.52,2136.29 2617.52,2337.52 2770,2490 2770,2619.69 U4.D@2867.72,2717.4
GND: C1.2 C3.2 C4.2 C5.1 C6.2 C7.1 C8.1 C9.1 C10.1 C11.2 C12.2 C13.1 C14.2 C15.2 C16.1 C17.1 C19.1 C20.1 C21.1 C22.1 C25.1 C26.1 C29.2 C30.1 C31.1 C32.1 C33.1 C34.1 C35.1 C36.2 C37.1 C38.1 C39.1 C40.1 C41.1 C42.1 C43.1 C44.1 C45.1 C46.1 C47.1 C48.1 C49.1 C50.1 C51.1 C52.1 C53.1 C54.1 C55.1 C56.1 C57.1 C58.1 C59.1 C60.1 C61.2 C62.2 C63.2 C64.2 D1.1 D2.2 D5.2 D9.1 D10.2 D11.2 D12.2 D13.2 D15.2 D16.2 D17.2 D18.2 D19.2 J1.1 J2.2 J3.2 J4.2 J5.2 J6.0 J6.1 J6.5 J7.3 J7.5 J8.0 J8.3 J8.6 J9.0 J9.3 J9.6 J10.2 J11.2 J12.2 J13.2 J14.2 J15.2 J16.0 J16.4 J17.0 J17.4 J18.0 J18.4 J19.0 J19.4 R6.1 R7.1 R8.1 R13.1 R14.1 R15.1 R18.1 R19.1 R24.2 R37.1 R38.1 R39.1 R40.1 R41.1 R42.1 R53.1 R54.1 R55.1 R56.1 R57.1 R58.1 R64.1 R65.1 R66.1 R70.2 R73.1 R75.1 R81.1 R82.1 R83.1 R88.1 R89.1 R90.1 R91.1 S1.1 SW1.1 SW2.1 SW3.1 TP3.1 TP5.1 TP9.1 TP10.1 TP12.1 U2.5 U2.10 U2.22 U2.29 U3.7 U3.9 U4.B' U4.D' U4.E U5.2 U6.6 U6.9 U7.6 U7.9 U8.6 U8.9 U9.6 U9.9 U10.6 U10.9 U11.12 U11.18 U11.31 U11.47 U11.63 U12.2 U13.2 U14.2 U15.6 U15.9 U16.3 U17.2 U17.5 Y1.2 Y1.4 | length 6779.9
  Top Layer w10: v1(680,2130) 680,2133.79 682.8,2136.58 U2.22@682.8,2209.76 ; R14.1@737.48,1515 743.82,1508.66 R8.1@860,1508.66 ; R81.1@1670,797.48 1627.52,797.48 v1(1595,830) 1627.52,862.52 R82.1@1670,862.52 ; R83.1@1852.52,1090 1853.76,1091.24 v1(1853.76,1156.24) ; U14.2@2465,924.49 2465.78,925.26 2465.78,1035.54 C62.2@2480.24,1050 v1(2545,1050) ; R75.1@2605,832.48 2606.24,831.24 v1(2663.76,831.24) ; U13.2@3195,934.49 3195,1039.76 C61.2@3205.24,1050 3204.06,1051.18 3204.06,1109.06 v1(3205,1110) ; R73.1@3350,862.48 3351.26,863.74 3428.74,863.74 v1(3430,865) ; v1(3455,1305) 3524.76,1305 C49.1@3525,1305.24 3531.81,1312.05 U11.47@3631.65,1312.05 ; v1(3542.67,1852.68) 3563.5,1873.5 3565.16,1873.5 3584.76,1893.11 C59.1@3584.76,1900 ; J7.3@3580,650 3580,580 v1(3605,555) ; v1@3610,558.06 3610,558.82 3630,578.82 J7.5@3630,650 ; v1(3655,1810) 3655,1740.24 C48.1@3655.24,1740 3700,1740 3731.83,1708.17 3731.83,1668.57 U11.31@3732.05,1668.35 ; R70.2@3870,997.52 3872.48,1000 v1(3920,1000) ; J19.4@3900,180 J19.4@3905,175 ; v1(3940,1040) C50.1@3984.76,1040 3984.76,1046.89 4014.37,1076.5 4014.37,1133.81 3987.95,1160.23 U11.63@3987.95,1211.65 ; U11.18@3987.95,1668.35 3988.3,1668.69 3988.3,1701.33 3999.81,1712.84 4004.97,1712.84 4065.24,1773.11 C47.1@4065.24,1780 4065.24,1786.89 4103.35,1825 v1(4105,1825) ; U11.12@4088.35,1508.9 4183.98,1508.9 4228.11,1464.76 C55.1@4235,1464.76 C54.1@4335,1464.76 4340.24,1470 4345.24,1465 v1(4395,1465) ; v1(4128.58,1860.72) 4128.58,1861.54 D15.2@4160,1892.95 ; D15.2@4160,1894.92 D15.2@4160,1892.95 ; v1(4185,1350) 4225.94,1350 4235.94,1340 Y1.2@4246.54,1350.59 ; C53.1@4240,1079.76 C52.1@4350,1079.76 C51.1@4460,1079.76 4460.24,1080 v1(4520,1080) ; U12.2@4252.2,1860 4192.95,1860 D15.2@4160,1892.95 ; C63.2@4284.76,655 4285,655.24 v1(4285,715) ; C57.1@4311.5,1225 4312.5,1224 v1(4346,1224) ; Y1.4@4313.46,1299.41 4316.91,1295.96 4387.54,1295.96 C56.1@4390,1293.5 ; v1(4390,1260) C56.1@4390,1293.5 ; C56.1@4391.5,1295 C56.1@4390,1293.5 ; v1(4460,850) 4460,817.76 U16.3@4460.35,817.4 ; v1(4468.81,682.56) 4490.44,682.56 4533.11,725.24 C64.2@4540,725.24 4540.24,725 U17.2@4642.56,725 ; v1(4720,1275) C58.1@4720,1339.76 ; U17.5@4837.44,625 v1(4920,625) ; S1.1@4856.93,1275 S1.1@4860,1278.07 ; v1(4860,1220) S1.1@4860,1278.07 ; S1.1@4860,1284.76 S1.1@4860,1278.07 ; J17.4@5096.65,179.75 J17.4@5096.9,180 ; U5.2@5346.65,2430 5432.87,2430 5468.11,2465.24 C45.1@5475,2465.24 5475.24,2465 v1(5535,2465) ; R58.1@5802.48,1575 5803.74,1576.26 v1(5803.74,1633.74) ; R42.1@5807.48,2115 5808.74,2116.26 v1(5808.74,2171.26) ; R66.1@5812.48,2650 5813.74,2651.26 v1(5813.74,2706.26) ; R57.1@5812.48,3170 5813.74,3171.26 v1(5813.74,3228.74) ; R41.1@5812.48,3675 5813.74,3676.26 v1(5813.74,3731.26) ; R56.1@5942.48,1310 5942.48,1270.61 v1(5971.87,1241.22) 6002.52,1271.87 R55.1@6002.52,1310 ; R40.1@5947.48,1855 5947.48,1812.52 v1(5980,1780) 6012.52,1812.52 R39.1@6012.52,1855 ; R38.1@5947.48,3415 5947.48,3367.48 5966.97,3347.99 5967.14,3347.99 5975.13,3340 v1(5980,3340) 6007.52,3367.52 R37.1@6007.52,3415 ; R65.1@5952.48,2385 5952.48,2375.16 5965.2,2362.44 5974.14,2362.44 5980,2356.58 ; R54.1@5952.48,2905 5952.48,2857.52 v1(5980,2830) 6012.52,2862.52 R53.1@6012.52,2905 ; v1(5980,2333.75) 5980,2356.58 ; R64.1@6012.52,2385 6012.52,2377.3 5999.8,2364.59 5988,2364.59 5980,2356.58
  Top Layer w16: U15.6@1767.2,743.39 U15.9@1767.2,817.2 ; U9.9@5987.8,1417.2 U9.6@6061.61,1417.2 ; U7.9@5992.8,1957.2 U7.6@6066.61,1957.2 ; U10.9@5992.8,2497.2 U10.6@6066.61,2497.2 ; U8.9@5992.8,3007.2 U8.6@6066.61,3007.2 ; U6.9@5992.8,3517.2 U6.6@6066.61,3517.2
  Top Layer w20: U15.9@1767.2,817.2 U15.9@1780,830 ; v1(5940.9,1525.86) v1@5945.01,1521.76 ; v1(5945.9,2065.86) v1@5950.01,2061.76 ; v1(5945.9,2605.86) v1@5950.01,2601.76 ; v1(5945.9,3115.86) v1@5950.01,3111.76 ; v1(5945.9,3625.86) v1@5950.01,3621.76 ; U9.9@5975,1430 U9.9@5987.8,1417.2 ; U7.9@5980,1970 U7.9@5992.8,1957.2 ; U10.9@5980,2510 U10.9@5992.8,2497.2 ; U8.9@5980,3020 U8.9@5992.8,3007.2 ; U6.9@5980,3530 U6.9@5992.8,3517.2 ; v1@6004.99,1521.76 v1(6009.1,1525.86) ; v1@6009.99,2061.76 v1(6014.1,2065.86) ; v1@6009.99,2601.76 v1(6014.1,2605.86) ; v1@6009.99,3111.76 v1(6014.1,3115.86) ; v1@6009.99,3621.76 v1(6014.1,3625.86)
  Top Layer w22: v1(1875.86,795.9) 1868.29,795.9 1849.19,815 1795,815 U15.9@1780,830 1795,845 1849.19,845 1868.29,864.1 v1(1875.86,864.1) ; v1@5945.01,1521.76 5945.01,1459.99 U9.9@5975,1430 6004.99,1459.99 v1@6004.99,1521.76 ; v1@5950.01,2061.76 5950.01,1999.99 U7.9@5980,1970 6009.99,1999.99 v1@6009.99,2061.76 ; v1@5950.01,2601.76 5950.01,2539.99 U10.9@5980,2510 6009.99,2539.99 v1@6009.99,2601.76 ; v1@5950.01,3111.76 5950.01,3049.99 U8.9@5980,3020 6009.99,3049.99 v1@6009.99,3111.76 ; v1@5950.01,3621.76 5950.01,3559.99 U6.9@5980,3530 6009.99,3559.99 v1@6009.99,3621.76
  other v1: 550,-50 950,-50 1550,-50 1950,-50 2150,-50 2550,-50 3150,-50 3550,-50 4150,-50 4350,-50 4750,-50 4950,-50 5350,-50 5550,-50 5750,-50 6150,-50 6350,-50 6550,-50 650,150 1050,150 1450,150 2050,150 2850,150 4050,150 4650,150 5250,150 5850,150 6050,150 6250,150 -50,350 550,350 1950,350 2150,350 2950,350 2050,550 6650,550 6350,750 1779.21,831.72 4650,950 6250,950 6450,950 6650,950 6350,1150 2850,1350 3050,1350 5973.28,1429.21 1150,1550 2950,1550 3150,1550 50,1750 250,1750 6450,1750 6650,1750 -50,1950 150,1950 350,1950 1150,1950 2150,1950 2350,1950 3150,1950 675,1955 5978.28,1969.21 919.48,2032.24 50,2150 250,2150 2850,2150 3850,2150 6650,2150 520,2285 595,2285 675,2285 755,2285 830,2285 -50,2350 150,2350 520,2350 595,2350 675,2350 755,2350 830,2350 2750,2350 2950,2350 3150,2350 3350,2350 3550,2350 3750,2350 3950,2350 4150,2350 4350,2350 4550,2350 6550,2350 5978.28,2509.21 50,2550 250,2550 3050,2550 3250,2550 3450,2550 3650,2550 3850,2550 4050,2550 4250,2550 4450,2550 4850,2550 -50,2750 150,2750 350,2750 2750,2750 2950,2750 3150,2750 3350,2750 3750,2750 3950,2750 4750,2750 4950,2750 3050,2950 3450,2950 3650,2950 3850,2950 4050,2950 4250,2950 4850,2950 5250,2950 5978.28,3019.21 3550,3150 3750,3150 6350,3150 6550,3150 3650,3350 3850,3350 4050,3350 5250,3350 6450,3350 6650,3350 5978.28,3529.21 -50,3550 150,3550 350,3550 1350,3550 3750,3550 4150,3550 250,3750 650,3750 850,3750 1050,3750 1250,3750 1450,3750 1650,3750 1850,3750 3050,3750 3650,3750 3850,3750 6650,3750 150,3950 350,3950 550,3950 750,3950 950,3950 1150,3950 1350,3950 1550,3950 1750,3950 1950,3950 2150,3950 2550,3950 2950,3950 3350,3950 3750,3950 4150,3950 6350,3950 6550,3950
  other v2: 2134.41,2366.69 2185.59,2366.69 2134.41,2410 2185.59,2410 2134.41,2453.31 2185.59,2453.31
HDRV1: Q2.3 U2.27 | length 1436.7
  Top Layer w10: U2.27@810.84,2184.27 810.84,2178.92 810,2179.77 810,2165 828.66,2146.34 843.43,2146.34 v1(864.77,2125) ; Q2.3@1345,1134.88 1349.88,1130 v1(1410,1130)
  Bottom Layer w10: v1(864.77,2125) 850,2110.23 850,1835 940,1745 940,1525 1335,1130 v1(1410,1130)
HDRV2: Q3.3 U2.19 | length 1131.8
  Top Layer w10: Q3.3@525,1124.88 525,1137.87 532.01,1144.88 534.49,1144.88 549.61,1160 v1(570,1160) ; v1(604.61,2120) 605.93,2121.31 605.93,2209.67 U2.19@606.02,2209.76
  Bottom Layer w10: v1(570,1160) 570,2084.24 604.61,2118.85 v1(604.61,2120)
JTDI: J7.8 U11.50 | length 423.2
  Top Layer w10: J7.8@3680,810 3680,1120 3732.05,1172.05 U11.50@3732.05,1211.65
JTDO/TRACESWO: J7.6 U11.55 | length 484.7
  Top Layer w10: J7.6@3630,810 v1(3630,920) ; v1(3818,1130) 3818,1132.39 3830.47,1144.86 U11.55@3830.47,1211.65
  Bottom Layer w10: v1(3630,920) 3630,942 v1(3818,1130)
LDRV1: Q4.3 U2.25 | length 1063.6
  Top Layer w10: U2.25@759.57,2209.76 759.57,2156.41 795,2120.98 795,2077 v1(793,2075) ; v1(815,1240) 815.59,1240.59 832.59,1240.59 852,1260 852.99,1260 860,1267.01 Q4.3@860,1280
  Bottom Layer w10: v1(793,2075) 793,1265.79 815,1243.79 v1(815,1240)
LDRV2: Q5.3 U2.21 | length 977.6
  Top Layer w10: Q5.3@610,1280 v1(610,1340) ; U2.21@657.2,2209.76 657.11,2209.67 657.11,2172.11 648.83,2163.83 648.83,2116.17 v1(680,2085)
  Bottom Layer w10: v1@610,1337.57 v1(610,1340) 610,2015 v1(680,2085)
LED_B_n: R67.2 U11.15 | length 593.8
  Top Layer w10: U11.15@4118.1,1567.73 4122.73,1567.73 4230,1675 R67.2@4667.52,1675
LED_G_n: R69.2 U11.14 | length 884.8
  Top Layer w10: U11.14@4116.89,1548.27 4143.27,1548.27 4228.44,1633.44 4781.08,1633.44 4905.16,1757.52 R69.2@4915,1757.52
LED_MATRIX_B_PWM: J6.2 U11.58 | length 2761.9
  Top Layer w10: U11.58@3889.53,1211.65 3889.87,1212 3889.87,1244.87 3905,1260 4015,1260 4110,1165 4110,990 4177.17,922.83 J6.2@6370,922.83
LED_MATRIX_G_PWM: J6.3 U11.57 | length 2756.3
  Top Layer w10: U11.57@3869.84,1211.65 3869.84,1259.84 3890,1280 4020,1280 4130,1170 4130,1040 4188.11,981.89 J6.3@6370,981.89
LED_MATRIX_R_PWM: J6.4 U11.56 | length 2800.6
  Top Layer w10: U11.56@3850.16,1211.65 3850.16,1265.16 3885,1300 4025,1300 4150,1175 4150,1081.63 4191.63,1040 6369.06,1040 J6.4@6370,1040.94 J6.4@6420,1040.94
LED_R_n: R68.1 U11.16 | length 536.7
  Top Layer w10: U11.16@4088.57,1587.86 4258.23,1757.52 R68.1@4555,1757.52
NetC2_1: C2.1 U1.1 | length 133.5
  Top Layer w10: U1.1@1665.35,3098.39 1684.84,3098.39 1714.76,3128.31 C2.1@1714.76,3200
NetC2_2: C2.2 U1.7 | length 190.2
  Top Layer w10: C2.2@1785.24,3200 1770,3184.76 1770,3090 1789.32,3070.68 U1.7@1831.76,3070.68 ; U1.7@1831.76,3075.68 U1.7@1834.65,3072.8
NetC18_1: C18.1 R10.2 U2.16 | length 991
  Top Layer w10: U2.16@529.25,2209.76 528.35,2208.86 528.35,2172.93 395,2039.58 395,1886.95 440,1841.95 440,1582.87 578.11,1444.76 C18.1@585,1444.76 672.28,1444.76 R10.2@672.52,1445